# Altium PCB Roll_Min_R00.PcbDoc (part 2 of 2)
Units mm, origin at the board's own origin, x right, y up, seen from the top; angles counter-clockwise.
Board outline 100 x 140 mm, 2 copper layers (TOP, BOT), stack 1.58 mm thick; 106 components, 80 nets, 281 pads, 47 vias.
Unrouted connection lines stored in the file: 32.
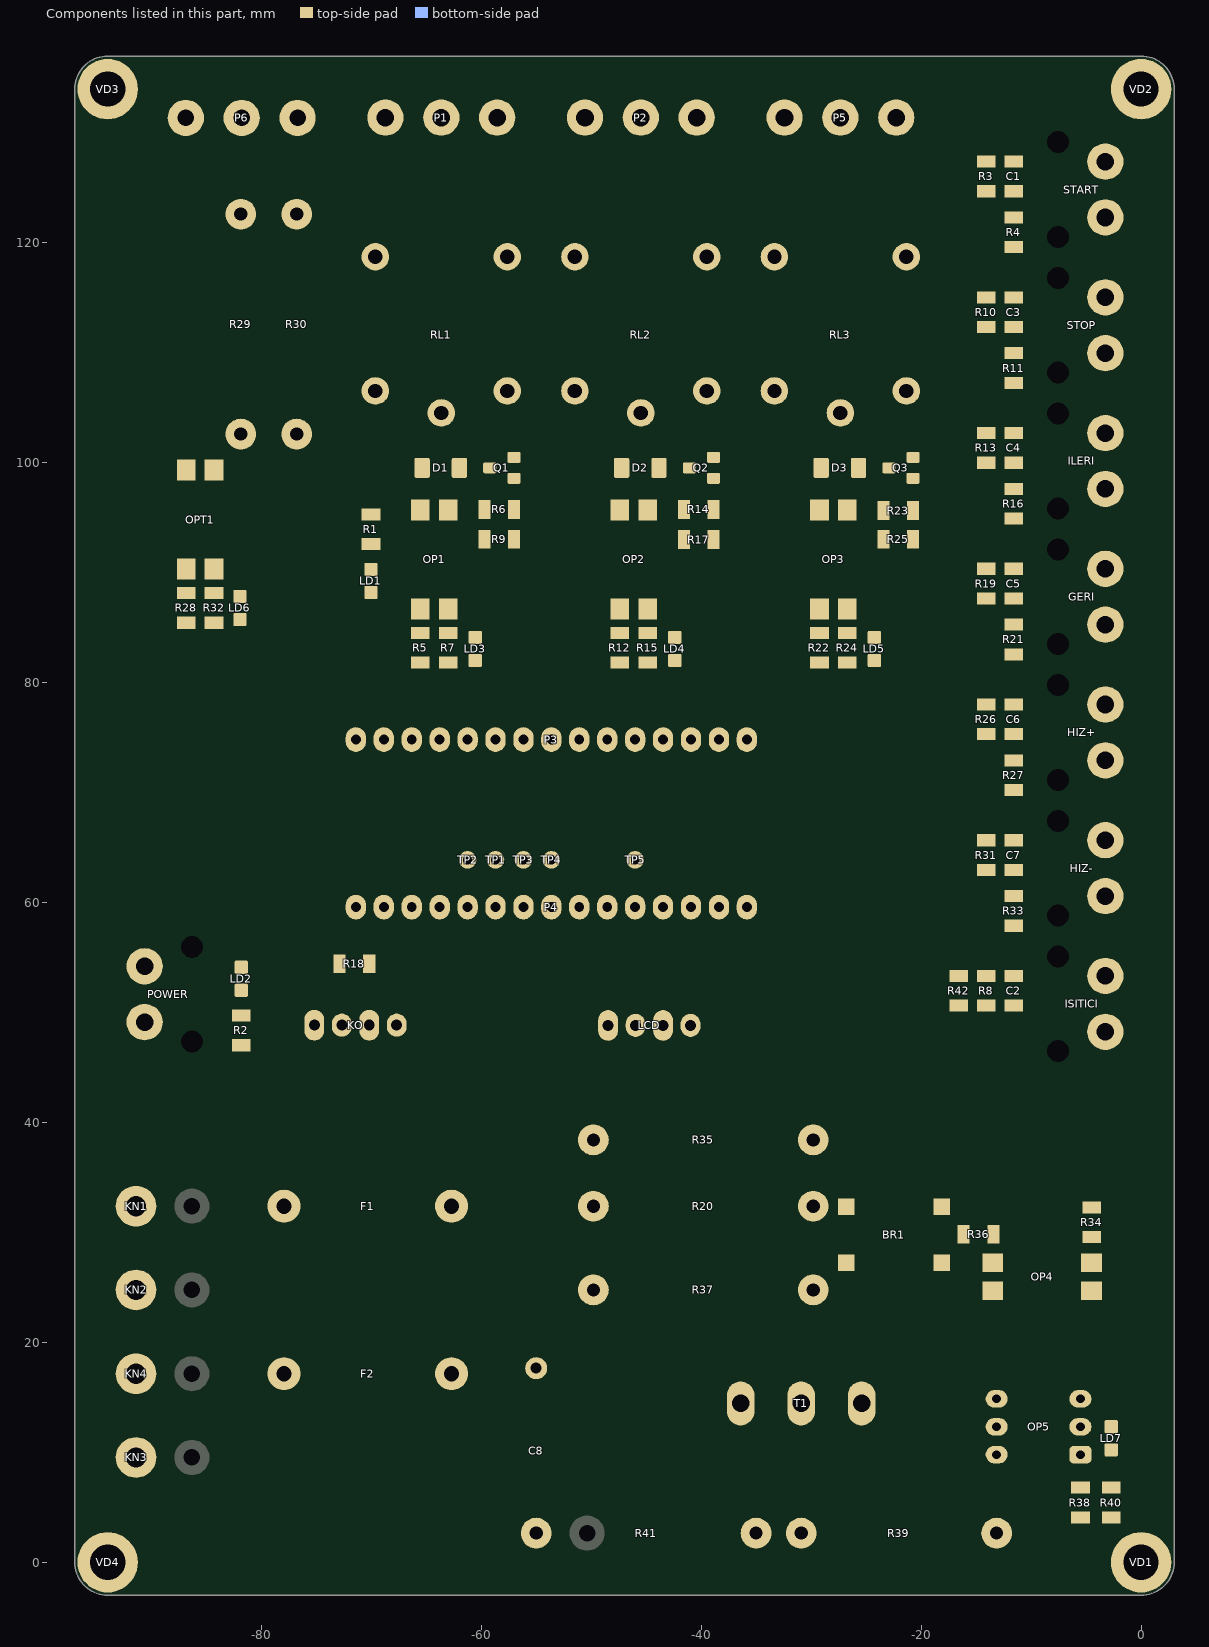
[diagram p2: the components of this part, seen from the top]

## Polygon pours and split planes (outlines as drawn) (continued)
NetC5_2 on TOP "NETC5_2_L01_P3576" (solid, remove dead copper, pour order 3576): -14.943,88.217 -10.743,88.217 ccw(c-9.461,88.217) -9.461,86.935 -3.345,86.935 cw(c-3.345,85.196) -1.606,85.196 cw(c-3.164,85.196) -3.164,83.639 -3.805,83.639 cw(c-3.805,84.737) -4.597,83.976 ccw(c-6.385,82.255) -6.385,84.737 -12.443,84.737 -12.443,85.133 ccw(c-14.427,85.133) -14.427,87.117 -14.943,87.117
NetBR1_2 on TOP "NETBR1_2_L01_P3568" (solid, remove dead copper, pour order 3568): -26.09,27.997 -26.09,24.263 cw(c-26.98,24.263) -26.98,23.373 -29.819,23.373 cw(c-29.819,24.778) -31.224,24.778 -31.224,27.201 cw(c-30.428,27.201) -30.428,27.997
NetC8_1 on TOP "NETC8_1_L01_P3603" (solid, remove dead copper, pour order 3603): -36.335,16.448 -38.258,16.448 cw(c-38.258,22.219) -42.637,18.459 ccw(c-46.796,14.888) -46.796,20.37 -63.444,20.37 ccw(c-63.444,17.995) -65.819,17.995 -65.819,12.901 ccw(c-64.561,12.901) -64.561,11.643 -36.268,11.643 ccw(c-36.267,12.736) -35.174,12.736 -35.174,15.287 ccw(c-36.335,15.287)
NOTR on TOP "NOTR_L01_P3604" (solid, remove dead copper, pour order 3604): -96.369,25.446 -96.369,9.394 ccw(c-94.658,9.394) -94.658,7.683 -86,7.683 ccw(c-86,8.936) -84.747,8.936 -84.747,11.383 -91.835,11.383 cw(c-91.836,13.616) -94.069,13.617 -94.069,20.443 cw(c-91.59,20.443) -91.589,22.923 -50.087,22.923 ccw(c-50.086,24.585) -48.424,24.585 -48.424,24.96 ccw(c-50.087,24.96) -50.087,26.623 -88.964,26.623 -88.964,26.608 -95.207,26.608 ccw(c-95.208,25.446)
NetF1_2 on TOP "NETF1_2_L01_P3602" (solid, remove dead copper, pour order 3602): -93.274,36.065 -93.274,32.216 ccw(c-91.601,32.216) -91.601,30.543 -75.345,30.543 ccw(c-75.345,31.423) -74.464,31.423 -74.464,36.033 ccw(c-75.334,36.033) -75.334,36.904 -92.436,36.904 ccw(c-92.436,36.065)
NetF2_2 on TOP "NETF2_2_L01_P3601" (solid, remove dead copper, pour order 3601): -93.274,17.176 ccw(c-91.401,17.176) -91.401,15.303 -88.951,15.303 -86.227,15.303 cw(c-86.227,12.708) -84.304,14.45 ccw(c-80.375,18.008) -80.375,12.708 -76.279,12.708 ccw(c-76.279,14.523) -74.464,14.523 -74.464,19.947 ccw(c-75.62,19.947) -75.62,21.103 -81.898,21.103 ccw(c-81.898,18.268) -84.137,20.006 cw(c-86.187,21.597) -86.187,19.003 -91.447,19.003 ccw(c-91.447,17.176)
NetBR1_1 on TOP "NETBR1_1_L01_P3595" (solid, remove dead copper, pour order 3595): -32.058,30.993 -26.872,30.993 ccw(c-26.872,31.775) -26.09,31.775 -26.09,38.449 ccw(c-27.454,38.449) -27.454,39.813 -32.145,39.813 ccw(c-32.145,38.514) -33.443,38.514 -33.443,32.378 ccw(c-32.058,32.378)
NetC8_2 on TOP "NETC8_2_L01_P3569" (solid, remove dead copper, pour order 3569): -48.806,4.253 -56.424,4.253 -56.424,1.053 -48.806,1.053
NetOP5_4 on TOP "NETOP5_4_L01_P3586" (solid, remove dead copper, pour order 3586): -12.144,15.657 -12.144,14.849 cw(c-12.926,14.848) -12.926,14.067 -22.555,14.067 ccw(c-22.555,12.448) -24.017,13.144 cw(c-25.12,13.67) -25.121,12.448 -25.456,12.448 cw(c-25.456,13.666) -26.674,13.666 -26.674,15.218 cw(c-25.444,15.218) -25.444,16.448 -12.935,16.448 cw(c-12.935,15.657)
NetBR1_4 on TOP "NETBR1_4_L01_P3571" (solid, remove dead copper, pour order 3571): -17.394,32.948 -20.525,32.948 ccw(c-20.525,31.805) -21.668,31.805 -21.668,25.235 ccw(c-20.391,25.235) -20.391,23.957 -12.299,23.957 -12.299,25.457 -18.991,25.457 cw(c-18.991,26.51) -20.043,26.51 -20.044,30.991 cw(c-19.287,30.991) -19.287,31.747 -17.394,31.747
NetOP5_6 on TOP "NETOP5_6_L01_P3570" (solid, remove dead copper, pour order 3570): -14.544,9.367 -14.544,2.653 ccw(c-13.144,2.653) -13.144,1.253 ccw(c-13.144,2.653) -11.744,2.653 -11.744,9.387 ccw(c-12.944,9.387) -12.944,10.587 -13.324,10.587 ccw(c-13.324,9.367)
NetLD7_2 on TOP "NETLD7_2_L01_P3559" (solid, remove dead copper, pour order 3559): -1.874,6.237 -3.574,6.237 -3.574,10.457 cw(c-3.204,10.457) -3.204,10.827 -2.244,10.827 cw(c-2.244,10.457) -1.874,10.457
NetOP4_1 on TOP "NETOP4_1_L01_P3558" (solid, remove dead copper, pour order 3558): -14.399,30.683 -14.399,26.497 -12.599,26.497 -12.599,30.683
NetBR1_3 on TOP "NETBR1_3_L01_P3557" (solid, remove dead copper, pour order 3557): -16.994,26.648 -18.894,26.647 -18.894,27.847 -17.286,27.847 ccw(c-17.286,28.439) -16.694,28.439 -16.694,30.683 -15.594,30.683 -15.594,28.047 cw(c-16.994,28.047)
NetOP5_1 on TOP "NETOP5_1_L01_P3556" (solid, remove dead copper, pour order 3556): -4.674,6.237 -6.374,6.237 -6.374,9.557 cw(c-6.004,9.557) -6.004,9.927 -5.044,9.927 cw(c-5.044,9.557) -4.674,9.557
GND on TOP "GND_L01_P3563" (solid, remove dead copper, pour order 3563): -3.196,77.472 -3.196,78.572 -12.443,78.572 -12.443,77.472
NetC6_2 on TOP "NETC6_2_L01_P3579" (solid, remove dead copper, pour order 3579): -14.943,75.872 -10.743,75.872 ccw(c-9.461,75.872) -9.461,74.59 -3.345,74.59 cw(c-3.345,72.851) -1.606,72.851 cw(c-3.164,72.851) -3.164,71.294 -3.805,71.294 cw(c-3.805,72.392) -4.597,71.631 ccw(c-6.385,69.91) -6.385,72.392 -12.443,72.392 -12.443,72.788 ccw(c-14.427,72.788) -14.427,74.772 -14.943,74.772
GND on TOP "GND_L01_P3565" (solid, remove dead copper, pour order 3565): -3.196,65.127 -3.196,66.227 -12.443,66.227 -12.443,65.127

## Other copper
TOP:
  pour cut-out: -24.871,79.525 -24.871,82.95 -25.548,82.95 -25.548,79.525
  pour cut-out: -43.021,80.2 -43.021,82.623 -43.698,82.623 -43.698,80.2
  pour cut-out: -5.1,26.397 -5.1,35.575 -5.849,35.575 -5.849,26.397
  pour cut-out: -63.235,73.206 -46.191,73.206 ccw(c-46.191,74.297) -45.1,74.297 -45.1,76.5 -63.235,76.5
  pour cut-out: -12.743,51.182 -12.743,53.882 -13.392,53.882 -13.392,51.182
  pour cut-out: -14.693,124.872 -14.693,121.772 -15.343,121.772 -15.343,124.872
  pour cut-out: -74.854,100.804 -82.493,100.804 -82.493,100.967 -74.854,100.967
  pour cut-out: -74.68,131.346 -74.68,100.804 -75.029,100.804 -75.029,131.346
  pour cut-out: -76.709,133.424 -87.095,133.424 -87.095,133.075 -76.709,133.075
  pour cut-out: -40.064,101.515 -34.605,101.515 -34.605,101.88 -40.064,101.88
  pour cut-out: -58.204,101.522 -52.745,101.522 -52.745,101.888 -58.204,101.888
  pour cut-out: -71.3,133.456 -19.708,133.456 -19.708,133.069 -71.3,133.069
  pour cut-out: -19.708,102.9 -20.107,102.9 -20.107,133.263 -19.708,133.263
  pour cut-out: -71.305,100.99 -70.907,100.99 -70.907,133.263 -71.305,133.263
  pour cut-out: -22.344,94.413 -19.744,94.413 -19.744,99.495 -22.344,99.495
  pour cut-out: -22.344,95.063 -25.582,95.063 -25.582,91.813 -22.344,91.813
  pour cut-out: -28.3,101.522 -24.1,101.522 -24.1,102.172 -28.3,102.172
  pour cut-out: -58.644,94.413 -56.044,94.413 -56.044,99.495 -58.644,99.495
  pour cut-out: -58.644,95.063 -61.882,95.063 -61.882,91.813 -58.644,91.813
  pour cut-out: -64.6,101.522 -60.4,101.522 -60.4,102.172 -64.6,102.172
  pour cut-out: -40.494,94.413 -37.894,94.413 -37.894,99.495 -40.494,99.495
  pour cut-out: -40.494,95.063 -43.732,95.063 -43.732,91.813 -40.494,91.813
  pour cut-out: -46.45,101.522 -42.25,101.522 -42.25,102.172 -46.45,102.172
  pour cut-out: -12.443,88.217 -12.443,94.528 -13.243,94.528 -13.243,88.217
  pour cut-out: -88.118,88.472 -88.118,85.937 -87.731,85.937 -87.731,88.472
  pour cut-out: -80.875,89.105 -85.613,89.105 -85.613,86.351 -80.875,86.351
  pour cut-out: -66.814,84.847 -66.814,82.312 -66.427,82.312 -66.427,84.847
  pour cut-out: -59.571,85.479 -64.309,85.479 -64.309,82.625 -59.571,82.625
  pour cut-out: -48.664,84.847 -48.664,82.312 -48.277,82.312 -48.277,84.847
  pour cut-out: -41.421,85.479 -46.159,85.479 -46.159,82.625 -41.421,82.625
  pour cut-out: -23.271,85.479 -28.009,85.479 -28.009,82.625 -23.271,82.625
  pour cut-out: -62.56,63.994 -62.56,65.188 -52.375,65.188 -52.375,63.889
  pour cut-out: -15.343,121.772 -15.343,112.907 -12.443,112.907 -12.443,121.772
  pour cut-out: -10.243,69.192 -10.243,72.392 -10.892,72.392 -10.892,69.192
  pour cut-out: -12.743,75.872 -12.743,81.537 -13.392,81.537 -13.392,75.872
  pour cut-out: -10.243,56.847 -10.243,60.047 -10.892,60.047 -10.892,56.847
  pour cut-out: -12.743,63.527 -12.743,69.192 -13.392,69.192 -13.392,63.527
  pour cut-out: -10.243,118.672 -10.243,121.772 -10.892,121.772 -10.892,118.672
  pour cut-out: -12.743,125.252 -12.743,130.041 -15.443,130.041 -15.443,125.252
  pour cut-out: -10.243,106.227 -10.243,109.427 -12.843,109.427 -12.843,106.227
  pour cut-out: -12.443,100.562 -12.443,106.873 -13.243,106.873 -13.243,100.562
  pour cut-out: -10.243,93.882 -10.243,97.082 -10.892,97.082 -10.892,93.882
  pour cut-out: -10.243,81.537 -10.243,84.737 -10.892,84.737 -10.892,81.537
  pour cut-out: -72.85,57.965 -39.564,57.965 -39.564,61.182 -72.85,61.182
  pour cut-out: -72.85,75.029 -72.85,71.8 -72.2,71.8 -72.2,75.029
  pour cut-out: -7.039,-3 -7.039,-1.247 -7.426,-1.247 -7.426,-3
  pour cut-out: -30.514,84.847 -30.514,82.312 -30.127,82.312 -30.127,84.847
  pour cut-out: -71.308,89.087 -71.308,93.563 -68.808,93.563 -68.808,89.087
BOT:
  pour cut-out: -72.85,75.029 -72.85,76.454 -44.6,76.454 -44.6,73.205 -72.85,73.205 -72.85,75.046
  pour cut-out: -70.907,100.99 -68.943,100.99 -68.943,101.153 -70.907,101.153
  pour cut-out: -74.68,100.804 -76.644,100.804 -76.644,101.505 -74.68,101.505
  pour cut-out: -81.9,133.424 -74.68,133.424 -74.68,131.346 -81.9,131.346
  pour cut-out: -74.68,131.346 -74.68,100.804 -75.029,100.804 -75.029,131.346
  pour cut-out: -71.442,57.964 -71.442,61.206 -44.614,61.206 -44.614,57.964
  pour cut-out: -42.37,76.454 -34.44,76.454 -34.44,73.206 -42.37,73.206
  pour cut-out: -34.938,44.483 -34.54,44.483 -34.54,45.9 -34.938,45.9
  pour cut-out: -71.305,100.99 -70.907,100.99 -70.907,133.263 -71.305,133.263
  pour cut-out: -19.708,102.9 -20.107,102.9 -20.107,133.263 -19.708,133.263
  pour cut-out: -97,44.554 -93.816,44.554 -93.816,44.167 -97,44.167
  pour cut-out: -19.519,44.654 -36.79,44.654 -36.79,44.167 -19.519,44.167
  pour cut-out: -9.126,-3.001 -9.126,-0.7 -9.513,-0.7 -9.513,-3.001
  pour cut-out: -71.3,133.456 -19.708,133.456 -19.708,133.069 -71.3,133.069
Multi-Layer:
  pour cut-out: -10.054,29.386 -8.554,29.386 cw(c-8.554,27.871) -7.039,27.871 -7.039,-1.247 -11.611,-1.247 -11.611,27.829 cw(c-10.054,27.829)

## Silkscreen, mask and mechanical layers (free items; w line width, h text height)
Top Overlay:
  text "NC" at -33.674,124.4 h2.5
  text "NC" at -33.674,124.4 h2.5
  text "NC" at -33.674,124.4 h2.5
  text "COM" at -29.464,124.4 h2.5
  text "COM" at -29.464,124.4 h2.5
  text "COM" at -29.464,124.4 h2.5
  text "NC" at -69.917,124.303 h2.5
  text "NC" at -69.917,124.303 h2.5
  text "COM" at -65.707,124.301 h2.5
  text "COM" at -65.707,124.301 h2.5
  text "COM" at -65.707,124.301 h2.5
  text "NO" at -59.868,124.301 h2.5
  text "NO" at -59.868,124.301 h2.5
  text "NO" at -59.868,124.301 h2.5
  text "NC" at -51.682,124.301 h2.5
  text "NC" at -51.682,124.301 h2.5
  text "COM" at -47.472,124.301 h2.5
  text "COM" at -47.472,124.301 h2.5
  text "COM" at -47.472,124.301 h2.5
  text "NO" at -41.633,124.301 h2.5
  text "NO" at -41.633,124.301 h2.5
  text "NO" at -41.633,124.301 h2.5
  text "NO" at -23.398,124.301 h2.5
  text "NO" at -23.398,124.301 h2.5
  text "NO" at -23.398,124.301 h2.5
  text "GND" at -78.757,124.152 h2.5
  text "AVI" at -83.303,124.128 h2.5
  text "+10V" at -89.175,123.953 h2.5
  text "EA" at -93.019,93.059 h3 r90
  text "10.25" at -94.844,91.434 h3 r90
  text "AZL-001-R00" at -91.006,88.037 h3 r90
  text "5V" at -71.307,85.374 h3
  text "K" at -98.08,79.555 h5
  text "5-12V DC" at -95.085,62.864 h5
  text "-" at -84.375,55.838 h5
  text "+" at -84.759,43.808 h5
  text "220V" at -94.048,39.829 h5
  text "AC" at -83.76,39.834 h5
  text "L" at -84.556,36.904 h5
  text "ZC" at -23.076,30.901 h3 r270
  text "N" at -84.254,27.272 h5
  text "L" at -84.146,17.641 h5
  text "N" at -84.354,8.01 h5
  text "ISITICI" at -90.923,2.114 h5
  text "D" at -76,-0.284 h10
BOARD_OUTLINE_GRB:
  lines w0.1: -97,-0.7 -97,133.3 ; -97,0 ccw(c-94,0) -94,-3 0,-3 ccw(c0,0) 3,0 3,134 ccw(c0,134) 0,137 -94,137 ccw(c-94,134) -97,134
3D_BODY:
  lines w0.254: -97.024,5.448 -85.824,21.238 ; -97.024,20.688 -85.824,36.478 ; -97.024,21.238 -85.824,5.448 ; -97.024,36.478 -85.824,20.688
Drill Drawing:
  circle w0.254: c-106.82,-133.285 r0.508
  circle w0.254: c-106.82,-133.285 r0.847
  circle w0.254: c-106.82,-144.715 r0.847
  lines w0.254: -107.667,-140.905 -106.82,-141.752 -105.973,-140.905 -106.82,-140.059 -107.667,-140.905 ; -107.667,-137.942 -106.82,-137.519 -105.973,-137.942 -106.397,-137.095 -105.973,-136.249 -106.82,-136.672 -107.667,-136.249 -107.243,-137.095 -107.667,-137.942 ; -107.667,-130.322 -106.82,-129.899 -105.973,-130.322 -106.397,-129.475 -105.973,-128.629 -106.82,-129.052 -107.667,-128.629 -107.243,-129.475 -107.667,-130.322 ; -107.667,-126.512 -105.973,-126.512 -105.973,-124.819 -107.667,-124.819 -107.667,-126.512 ; -107.667,-122.279 -107.243,-122.279 -106.82,-122.702 -106.397,-122.279 -105.973,-122.279 -106.397,-121.855 -105.973,-121.432 -106.397,-121.432 -106.82,-121.009 -107.243,-121.432 -107.667,-121.432 -107.243,-121.855 -107.667,-122.279 ; -107.667,-118.892 -105.973,-118.892 -105.973,-117.199 -107.667,-117.199 -107.667,-118.892 ; -107.667,-114.659 -107.243,-114.659 -106.82,-115.082 -106.397,-114.659 -105.973,-114.659 -106.397,-114.235 -105.973,-113.812 -106.397,-113.812 -106.82,-113.389 -107.243,-113.812 -107.667,-113.812 -107.243,-114.235 -107.667,-114.659 ; -107.667,-109.579 -105.973,-109.579 -106.82,-111.272 -107.667,-109.579 ; -107.667,-107.462 -107.667,-107.039 -107.243,-106.615 -107.667,-106.192 -107.667,-105.769 -107.243,-105.769 -106.82,-106.192 -106.397,-105.769 -105.973,-105.769 -105.973,-106.192 -106.397,-106.615 -105.973,-107.039 -105.973,-107.462 -106.397,-107.462 -106.82,-107.039 -107.243,-107.462 -107.667,-107.462 ; -107.667,-103.229 -107.243,-103.229 -107.243,-103.652 -106.397,-103.652 -106.397,-103.229 -105.973,-103.229 -105.973,-102.382 -106.397,-102.382 -106.397,-101.959 -107.243,-101.959 -107.243,-102.382 -107.667,-102.382 -107.667,-103.229 ; -107.667,-98.149 -105.973,-98.149 -106.82,-99.842 -107.667,-98.149 ; -107.328,-129.983 -106.82,-129.729 -106.312,-129.983 -106.566,-129.475 -106.312,-128.967 -106.82,-129.221 -107.328,-128.967 -107.074,-129.475 -107.328,-129.983 ; -107.328,-122.109 -107.074,-122.109 -106.82,-122.363 -106.566,-122.109 -106.312,-122.109 -106.566,-121.855 -106.312,-121.601 -106.566,-121.601 -106.82,-121.347 -107.074,-121.601 -107.328,-121.601 -107.074,-121.855 -107.328,-122.109 ; -107.328,-118.553 -106.312,-118.553 -106.312,-117.537 -107.328,-117.537 -107.328,-118.553 ; -107.328,-98.487 -106.312,-98.487 -106.82,-99.503 -107.328,-98.487
  lines w0.381: -109.185,-146.705 93.604,-146.705 ; -109.185,-97.175 93.604,-97.175 ; -95.193,-150.515 -95.193,-93.365 ; -80.211,-150.515 -80.211,-93.365 ; -51.01,-150.515 -51.01,-93.365 ; -38.16,-150.515 -38.16,-93.365 ; -19.522,-150.515 -19.522,-93.365 ; 10.695,-150.515 10.695,-93.365 ; 25.678,-150.515 25.678,-93.365 ; 44.621,-150.515 44.621,-93.365 ; 70.775,-150.515 70.775,-93.365 ; -109.185,-150.515 93.604,-150.515 93.604,-93.365 -109.185,-93.365 -109.185,-150.515
  text "Symbol" at -106.899,-96.032 h1.83
  text "Count" at -94.05,-96.032 h1.83
  text "Hole Size" at -79.068,-96.032 h1.83
  text "Plated" at -49.867,-96.032 h1.83
  text "Hole Type" at -37.017,-96.032 h1.83
  text "Drill Layer Pair" at -18.379,-96.032 h1.83
  text "Via/Pad" at 11.838,-96.032 h1.83
  text "Pad Shape" at 26.821,-96.032 h1.83
  text "Template" at 45.764,-96.032 h1.83
  text "Description" at 71.918,-96.032 h1.83
  text "11" at -94.05,-99.842 h1.52
  text "0.800mm (31.50mil)" at -79.068,-99.842 h1.52
  text "PTH" at -49.867,-99.842 h1.52
  text "Round" at -37.017,-99.842 h1.52
  text "TOP - BOT" at -18.379,-99.842 h1.52
  text "Pad" at 11.838,-99.842 h1.52
  text "(Mixed)" at 26.821,-99.842 h1.52
  text "(Mixed)" at 45.764,-99.842 h1.52
  text "30" at -94.05,-103.652 h1.52
  text "0.900mm (35.43mil)" at -79.068,-103.652 h1.52
  text "PTH" at -49.867,-103.652 h1.52
  text "Round" at -37.017,-103.652 h1.52
  text "TOP - BOT" at -18.379,-103.652 h1.52
  text "Pad" at 11.838,-103.652 h1.52
  text "Rounded" at 26.821,-103.652 h1.52
  text "r185_225h90r92" at 45.764,-103.652 h1.52
  text "9" at -94.05,-107.462 h1.52
  text "1.000mm (39.37mil)" at -79.068,-107.462 h1.52
  text "PTH" at -49.867,-107.462 h1.52
  text "Round" at -37.017,-107.462 h1.52
  text "TOP - BOT" at -18.379,-107.462 h1.52
  text "Pad" at 11.838,-107.462 h1.52
  text "Rounded" at 26.821,-107.462 h1.52
  text "(Mixed)" at 45.764,-107.462 h1.52
  text "14" at -94.05,-111.272 h1.52
  text "1.200mm (47.24mil)" at -79.068,-111.272 h1.52
  text "PTH" at -49.867,-111.272 h1.52
  text "Round" at -37.017,-111.272 h1.52
  text "TOP - BOT" at -18.379,-111.272 h1.52
  text "Pad" at 11.838,-111.272 h1.52
  text "Rounded" at 26.821,-111.272 h1.52
  text "c280h120" at 45.764,-111.272 h1.52
  text "15" at -94.05,-115.082 h1.52
  text "1.300mm (51.18mil)" at -79.068,-115.082 h1.52
  text "PTH" at -49.867,-115.082 h1.52
  text "Round" at -37.017,-115.082 h1.52
  text "TOP - BOT" at -18.379,-115.082 h1.52
  text "Pad" at 11.838,-115.082 h1.52
  text "Rounded" at 26.821,-115.082 h1.52
  text "c250h130" at 45.764,-115.082 h1.52
  text "4" at -94.05,-118.892 h1.52
  text "1.400mm (55.12mil)" at -79.068,-118.892 h1.52
  text "PTH" at -49.867,-118.892 h1.52
  text "Round" at -37.017,-118.892 h1.52
  text "TOP - BOT" at -18.379,-118.892 h1.52
  text "Pad" at 11.838,-118.892 h1.52
  text "Rounded" at 26.821,-118.892 h1.52
  text "c300h140" at 45.764,-118.892 h1.52
  text "8" at -94.05,-122.702 h1.52
  text "1.500mm (59.06mil)" at -79.068,-122.702 h1.52
  text "PTH" at -49.867,-122.702 h1.52
  text "Round" at -37.017,-122.702 h1.52
  text "TOP - BOT" at -18.379,-122.702 h1.52
  text "Pad" at 11.838,-122.702 h1.52
  text "Rounded" at 26.821,-122.702 h1.52
  text "(Mixed)" at 45.764,-122.702 h1.52
  text "25" at -94.05,-126.512 h1.52
  text "1.600mm (62.99mil)" at -79.068,-126.512 h1.52
  text "PTH" at -49.867,-126.512 h1.52
  text "Round" at -37.017,-126.512 h1.52
  text "TOP - BOT" at -18.379,-126.512 h1.52
  text "Pad" at 11.838,-126.512 h1.52
  text "Rounded" at 26.821,-126.512 h1.52
  text "c330h160m350" at 45.764,-126.512 h1.52
  text "3" at -94.05,-130.322 h1.52
  text "1.600mm (63.00mil)" at -79.068,-130.322 h1.52
  text "PTH" at -49.867,-130.322 h1.52
  text "Round" at -37.017,-130.322 h1.52
  text "TOP - BOT" at -18.379,-130.322 h1.52
  text "Pad" at 11.838,-130.322 h1.52
  text "Rounded" at 26.821,-130.322 h1.52
  text "r250_400h160r125" at 45.764,-130.322 h1.52
  text "4" at -94.05,-134.132 h1.52
  text "1.850mm (72.84mil)" at -79.068,-134.132 h1.52
  text "PTH" at -49.867,-134.132 h1.52
  text "Round" at -37.017,-134.132 h1.52
  text "TOP - BOT" at -18.379,-134.132 h1.52
  text "Pad" at 11.838,-134.132 h1.52
  text "Rounded" at 26.821,-134.132 h1.52
  text "c370h185" at 45.764,-134.132 h1.52
  text "16" at -94.05,-137.942 h1.52
  text "2.000mm (78.74mil)" at -79.068,-137.942 h1.52
  text "NPTH" at -49.867,-137.942 h1.52
  text "Round" at -37.017,-137.942 h1.52
  text "TOP - BOT" at -18.379,-137.942 h1.52
  text "Pad" at 11.838,-137.942 h1.52
  text "Rounded" at 26.821,-137.942 h1.52
  text "c150hn200" at 45.764,-137.942 h1.52
  text "4" at -94.05,-141.752 h1.52
  text "3.200mm (125.98mil)" at -79.068,-141.752 h1.52
  text "PTH" at -49.867,-141.752 h1.52
  text "Round" at -37.017,-141.752 h1.52
  text "TOP - BOT" at -18.379,-141.752 h1.52
  text "Pad" at 11.838,-141.752 h1.52
  text "Rounded" at 26.821,-141.752 h1.52
  text "c550h320m570" at 45.764,-141.752 h1.52
  text "47" at -94.05,-145.562 h1.52
  text "0.500mm (19.69mil)" at -79.068,-145.562 h1.52
  text "PTH" at -49.867,-145.562 h1.52
  text "Round" at -37.017,-145.562 h1.52
  text "TOP - BOT" at -18.379,-145.562 h1.52
  text "Via" at 11.838,-145.562 h1.52
  text "Rounded" at 26.821,-145.562 h1.52
  text "(Mixed)" at 45.764,-145.562 h1.52
  text "190 Total" at -94.05,-149.372 h1.52
COMMENTS:
  lines w0.254: -24.146,137.306 -21.222,137.306

## Text inside footprints (layer, text, board x,y; h text height)
GERI: Top Overlay "D" at -9.18,85.552 h1 r90; Top Overlay "-" at -9.513,90.527 h1 r180; TOP_ASSY "1" at -1.155,90.527 h1 r270; TOP_ASSY "2" at -0.955,85.827 h1 r270
HIZ+: Top Overlay "D" at -9.18,73.207 h1 r90; Top Overlay "-" at -9.513,78.182 h1 r180; TOP_ASSY "1" at -1.155,78.182 h1 r270; TOP_ASSY "2" at -0.955,73.482 h1 r270
HIZ-: Top Overlay "D" at -9.18,60.862 h1 r90; Top Overlay "-" at -9.513,65.837 h1 r180; TOP_ASSY "1" at -1.155,65.837 h1 r270; TOP_ASSY "2" at -0.955,61.137 h1 r270
ILERI: Top Overlay "D" at -9.18,97.897 h1 r90; Top Overlay "-" at -9.513,102.997 h1 r180; TOP_ASSY "1" at -1.155,102.872 h1 r270; TOP_ASSY "2" at -0.955,98.172 h1 r270
ISITICI: Top Overlay "D" at -9.18,48.517 h1 r90; Top Overlay "-" at -9.513,53.492 h1 r180; TOP_ASSY "1" at -1.155,53.492 h1 r270; TOP_ASSY "2" at -0.955,48.792 h1 r270
P1: TOP_ASSY "2" at -64.197,133.706 h1; TOP_ASSY "1" at -68.897,133.506 h1
P2: TOP_ASSY "2" at -46.047,133.706 h1; TOP_ASSY "1" at -50.747,133.506 h1
P3: Top Overlay "15" at -36.17,71.929 h1; Top Overlay "1" at -71.425,71.829 h1; TOP_ASSY "1" at -71.425,71.829 h1
P4: Top Overlay "15" at -36.17,56.689 h1; Top Overlay "1" at -71.425,56.589 h1; TOP_ASSY "1" at -71.425,56.589 h1
P5: TOP_ASSY "2" at -27.897,133.706 h1; TOP_ASSY "1" at -32.597,133.506 h1
P6: TOP_ASSY "2" at -82.353,133.674 h1; TOP_ASSY "1" at -87.053,133.474 h1
POWER: TOP_ASSY "1" at -92.743,48.972 h1 r90; TOP_ASSY "2" at -92.943,53.672 h1 r90
START: Top Overlay "D" at -9.18,122.587 h1 r90; Top Overlay "-" at -9.513,127.562 h1 r180; TOP_ASSY "1" at -1.155,127.562 h1 r270; TOP_ASSY "2" at -0.955,122.862 h1 r270
STOP: Top Overlay "D" at -9.18,110.242 h1 r90; Top Overlay "-" at -9.513,115.217 h1 r180; TOP_ASSY "1" at -1.155,115.217 h1 r270; TOP_ASSY "2" at -0.955,110.517 h1 r270